# Altium PCB HIL_RIG_REV_1_1.PcbDoc (part 4 of 5) (continued)
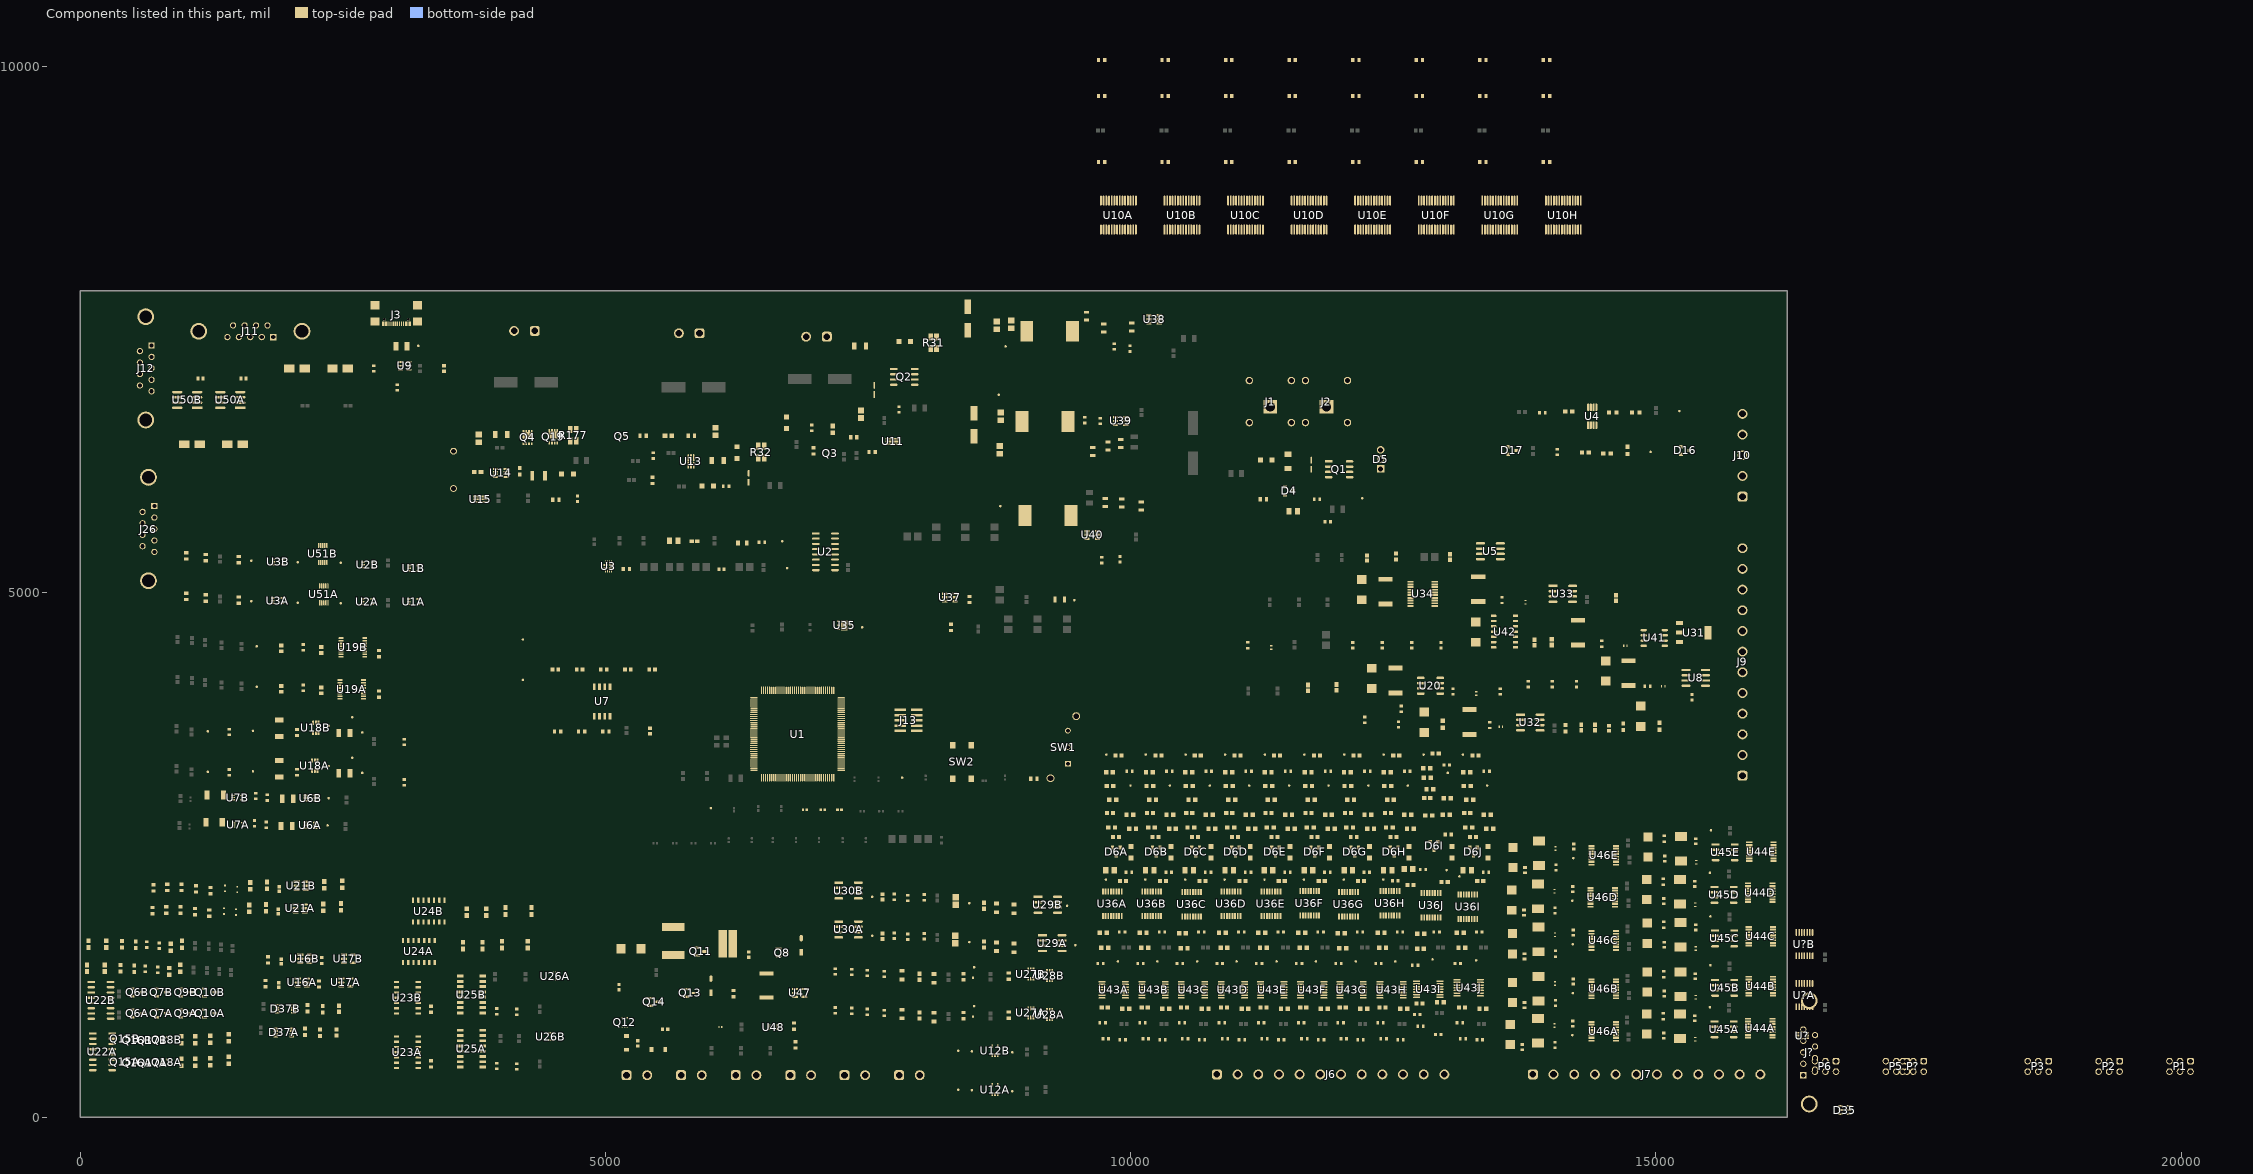
[diagram p6: the components of this part, seen from the top]
## Part data (continued)
Q6A Q6B Q7A Q7B Q9A Q9B Q10A Q10B: "MOSFET (P-Channel)", Manufacturer_Name="Alpha & Omega Semiconductors", Arrow Part Number=AO3401A, Arrow Price/Stock=https://www.arrow.com/en/products/ao3401a/alpha-and-omega-semiconductor?utm_currency=USD&region=nac, Datasheet Link=http://www.aosmd.com/pdfs/datasheet/AO3401A.pdf, Height=1.25mm, Manufacturer_Part_Number=AO3401A
Q8 Q13: library part CMP-12801-000062-2, "MOSFET P-CH 30V SOT23", Case/Package=SOT-23, Continuous Drain Current (ID)=3.8A, Drain to Source Resistance=65mR, Drain to Source Voltage (Vdss)=-30V, Gate to Source Voltage (Vgs)=20V, Input Capacitance=563pF, Max Operating Temperature=150°C, Max Power Dissipation=1.08W, Min Operating Temperature=-55°C, Package Quantity=3000, Threshold Voltage=-2.1V, Contact Plating=Tin, Element Configuration=Single, Fall Time=15ns, Height=1.1mm, Lead Free="Lead Free", Length=3mm, Mount="Surface Mount", Number of Channels=1, Number of Pins=3, Packaging="Tape and Reel", Radiation Hardening=No, Rds On Max=65mR, REACH SVHC="No SVHC", Rise Time=5ns, Turn-Off Delay Time=31ns, Turn-On Delay Time=4.8ns, Weight=0.000282oz, Width=1.4mm
Q11 Q14: library part CMP-2000-04931-2, "TRANS NPN 40V 0.2A SMD SOT23-3", Case/Package=SOT-23, Collector Base Voltage (VCBO)=60V, Collector Emitter Breakdown Voltage=40V, Collector Emitter Saturation Voltage=300mV, Continuous Collector Current=200mA, Emitter Base Voltage (VEBO)=6V, Frequency=300MHz, Max Operating Temperature=150°C, Max Power Dissipation=300mW, Min Operating Temperature=-55°C, Package Quantity=3000, Power Dissipation=350mW, Collector Emitter Voltage (VCEO)=40V, Contact Plating=Tin, Element Configuration=Single, Gain Bandwidth Product=300MHz, Height=1mm, hFE Min=100, Lead Free="Lead Free", Length=3.05mm, Max Breakdown Voltage=40V, Max Collector Current=200mA, Max Frequency=300MHz, Mount="Surface Mount", Number of Elements=1, Number of Pins=3, Packaging="Tape and Reel", Polarity=NPN, Radiation Hardening=No, REACH SVHC="No SVHC", Transition Frequency=300MHz, Voltage Rating (DC)=40V, Weight=0.000282oz, Width=1.4mm
Q12: library part CMP-1149-00046-1, "OptiMOS 2 Small-Signal-Transistor, 30 V VDS, 1.4 A ID, PG-SOT-363, Reel, Green", Manufacturer=Infineon, ComponentLink1Description="Manufacturer URL", ComponentLink1URL=http://www.infineon.com/, ComponentLink2Description=Datasheet, ComponentLink2URL=http://www.infineon.com/dgdl/BSD316SN_Rev2.3.pdf?folderId=db3a3043156fd573011622e10b5c1f67&fileId=db3a30431add1d95011afc90c46a0521, ComponentLink3Description="Package Specification", ComponentLink3URL=http://www.infineon.com/dgdl/SOT363-Package_Overview.pdf?folderId=db3a30431936bc4b01195360bd8f3cdc&fileId=db3a30431936bc4b0119536b62bf3cf5, DatasheetVersion="Rev. 2.4", Green=TRUE, Halogen-free=TRUE, ID (max)="1.4Â A", Mounting Technology="Surface Mount", PackageDescription="6-Pin Small Outline Transistor Package, 2 x 1.25 mm Body, 0.65 mm Pitch", PackageReference=PG-SOT-363, PackageVersion=Apr-08, Packing=Reel, PartNumber=BSD316SN, Polarity=N, RDS (on) (max)="160 mOhm", RevisionNote="Re-Activated Devices", VDS (max)="30 V"
R1 R2: library part CMP-009-00197-1, "Zero Ohm Resistor, Jumper, 0402 [1005 Metric], Thin Film, 100 mW, 630 mA, Surface Mount Device", Case/Package=0402, Max Operating Temperature=125°C, Min Operating Temperature=-55°C, Voltage Rating=50V, Mounting Technology="Surface Mount"
R3 R7 R9 R33 R36 R39 R42 R45 R50 R52 R56A R56B R77 R78 R91A R91B R106A R106B R106C R106D R106E R106F R106G R106H R107A R107B R107C R107D R107E R107F R107G R107H R108A R108B R108C R108D R108E R108F R108G R108H R109A R109B R110A R110B R114 R164 R167 R168 R171A R171B R172A R172B R173A R173B R176: library part CMP-009-00017-5, "Chip Resistor, 10 KOhm, +/- 1%, 01 W, -55 to 155 degC, 0603 (1608 Metric)", Case/Package=0603, Max Operating Temperature=155°C, Min Operating Temperature=-55°C, Power=100mW, Tolerance=1%, Voltage Rating=50V, Mounting Technology=SM, Pins=2, RoHS Compliant=True
R4 R6 R20 R37 R38 R41 R51 R111 R116A R116B R117A R117B R174A R174B: library part CMP-009-00280-1, "Res, 100K, 1%, 0.2W, Thick Film, 0603 Rohs Compliant: Yes", Case/Package=0603, Max Operating Temperature=155°C, Min Operating Temperature=-55°C, Tolerance=1%, Voltage Rating=75V, Mounting Technology="Surface Mount"
R5: library part CMP-009-00177-1, "Resistor, Thick Film Chip; 100 Ohms; Case 0805; 0.125W; +/-5%; SMD; 200ppm/K; 150V; 200V", Case/Package=0805, Max Operating Temperature=155°C, Min Operating Temperature=-55°C, Tolerance=5%, Voltage Rating=150V, Mounting Technology="Surface Mount", Pins=2
R8: library part CMP-009-00203-1, "Res Thick Film 0603 16.2K Ohm 1% 0.1W(1/10W) ±100ppm/°C Pad SMD T/R Automotive AEC-Q200", Case/Package=0603, Max Operating Temperature=155°C, Min Operating Temperature=-55°C, Tolerance=1%, Voltage Rating=75V, Mounting Technology="Surface Mount", Pins=2
R10 R29 R30: library part CMP-009-00198-1, "Fixed Resistor, Metal Glaze/thick Film, 0.1W, 5100ohm, 75V, 1% +/-Tol, 100ppm/Cel, Surface Mount, 0603", Case/Package=0603, Max Operating Temperature=155°C, Min Operating Temperature=-55°C, Tolerance=1%, Voltage Rating=75V, Mounting Technology="Surface Mount"
R11: library part CMP-009-00201-1, "125mW Thin Film Resistor 150V ±25ppm/℃ ±0.1% 150kΩ 0805 Chip Resistor - Surface Mount ROHS", Case/Package=0805, Max Operating Temperature=155°C, Min Operating Temperature=-55°C, Tolerance=0.1%, Voltage Rating=150V, Mounting Technology="Surface Mount"
R12: library part CMP-009-00204-1, "Res Thin Film 0603 44.2K Ohm 1% 0.125W(1/8W) ±100ppm/C Sulfur Resistant Pad SMD T/R", Case/Package=0603, Max Operating Temperature=155°C, Min Operating Temperature=-55°C, Tolerance=1%, Voltage Rating=150V, Mounting Technology="Surface Mount"
R13 R72A R72B R72C R72D R72E R72F R72G R72H R72I R72J: library part CMP-009-00200-1, "Fixed Resistor, Thin Film, 0.25W, 10000ohm, 150V, 0.1% +/-Tol, 25ppm/Cel, Surface Mount, 0805", Case/Package=0805, Max Operating Temperature=155°C, Min Operating Temperature=-55°C, Tolerance=0.1%, Voltage Rating=150V, Mounting Technology="Surface Mount"
R14 R16 R19 R54: library part CMP-009-00254-1, "Res Thin Film 0603 100K Ohm 0.1% 1/16W ±25ppm/°C Molded SMD SMD Paper T/R", Case/Package=0603, Max Operating Temperature=155°C, Min Operating Temperature=-55°C, Tolerance=0.1%, Voltage Rating=50V, Mounting Technology="Surface Mount"
R15 R18: library part CMP-009-00215-1, "Res Thin Film 0603 100 Ohm 1% 0.1W(1/10W) ±50ppm/C Pad SMD Automotive Medical T/R", Case/Package=0603, Max Operating Temperature=125°C, Min Operating Temperature=-55°C, Tolerance=1%, Voltage Rating=75V, Mounting Technology="Surface Mount"
R17 R55: library part CMP-009-00255-1, "100mW Thin Film Resistor ±25ppm/℃ ±0.1% 11.8kΩ 0603 Chip Resistor - Surface Mount ROHS", Case/Package=0603, Max Operating Temperature=155°C, Min Operating Temperature=-55°C, Tolerance=0.1%, Voltage Rating=75V, Mounting Technology="Surface Mount"
R21 R102 R103 R104 R105 R153: library part CMP-009-00291-1, "Res Thick Film 2512 10 Ohm 1% 1W ±400ppm/°C Pad SMD T/R Automotive AEC-Q200", Case/Package=2512, Manufacturer Lifecycle Status=ACTIVE, Max Operating Temperature=155°C, Min Operating Temperature=-55°C, Operating Supply Voltage=200V, Power Rating=1W, Ratings=AEC-Q200, Temperature Coefficient=400ppm/°C, Tolerance=1%, China RoHS=Non-Compliant, Composition="Thick Film", Export Control Classification Number (ECCN) Code=EAR99, Harmonized Tariff Schedule (HTS) Code=8533.21.00.30, Height=550µm, Introduction Date=2019-08-26, Length=6.35mm, Lifecycle Status=Production, Mounting Technology="Surface Mount", Number of Terminals=2, Packaging="Cut Tape", REACH SVHC=Yes, RoHS=Compliant, Schedule B="8533210025, 8533210025", Voltage Rating=200V, Voltage Rating (DC)=200V, Width=3.2mm, Working Voltage=200V
R22A R22B R27A R27B R28A R28B: library part CMP-009-00258-1, "Res Thick Film 0603 33 Ohm 1% 0.1W(1/10W) ±100ppm/C Pad SMD T/R Automotive AEC-Q200", Case Code (Imperial)=0603, Case Code (Metric)=1608, Max Operating Temperature=155°C, Max Power Dissipation=100mW, Min Operating Temperature=-55°C, Ratings=AEC-Q200, Temperature Coefficient=100ppm/°C, Tolerance=1%, Voltage Rating=75V, Case/Package=0603, China RoHS=Non-Compliant, Composition="Thick Film", Country of Origin="Mainland China, Taiwan", Export Control Classification Number (ECCN) Code=EAR99, Features="Automotive AEC-Q200, Moisture Resistant", Harmonized Tariff Schedule (HTS) Code=8533.21.00.30, Height=450µm, Introduction Date=2012-04-10, Length=1.6mm, Lifecycle Status=Production, Mounting Technology="Surface Mount", Number of Terminals=2, Number of Terminations=2, Packaging="Tape & Reel", Power Dissipation=100mW, Power Rating=100mW, REACH SVHC=Yes, RoHS=Compliant, Schedule B="8533210045, 8533210045", Termination=SMD/SMT, Width=800µm, Working Voltage=75V
R23 R24 R126 R128 R143 R144: library part CMP-009-00272-1, "100mW Thin Film Resistor ±50ppm/℃ ±0.1% 30kΩ 0603 Chip Resistor - Surface Mount ROHS", Case Code (Metric)=0603, Max Operating Temperature=155°C, Max Power Dissipation=100mW, Min Operating Temperature=-55°C, Temperature Coefficient=50ppm/°C, Tolerance=0.1%, Voltage Rating=75V, Voltage Rating (DC)=50V, Case/Package=0603, China RoHS=Non-Compliant, Composition="Thin Film", Country of Origin="Mainland China, Taiwan", Depth=800µm, Export Control Classification Number (ECCN) Code=EAR99, Harmonized Tariff Schedule (HTS) Code=8533.21.00.30, Height=450µm, Introduction Date=2008-07-11, Lead Free="Lead Free", Length=1.6mm, Lifecycle Status=Production, Military Standard=Not, Mounting Technology="Surface Mount", Number of Terminals=2, Number of Terminations=2, Packaging="Tape & Reel (TR)", Power Rating=100mW, REACH SVHC=Yes, RoHS=Compliant, Width=800µm, Working Voltage=75V
R25 R26 R129 R142 R145 R146: library part CMP-009-00273-1, "100mW Thin Film Resistor 75V ±50ppm/℃ ±0.1% 10kΩ 0603 Chip Resistor - Surface Mount ROHS", Case Code (Imperial)=0603, Max Operating Temperature=155°C, Max Power Dissipation=100mW, Min Operating Temperature=-55°C, Temperature Coefficient=50ppm/°C, Tolerance=0.1%, Voltage Rating=75V, Voltage Rating (DC)=50V, Case/Package=0603, China RoHS=Non-Compliant, Composition="Thin Film", Contact Plating=Tin, Country of Origin="Mainland China, Taiwan", Depth=800µm, Export Control Classification Number (ECCN) Code=EAR99, Features="Moisture Resistant", Harmonized Tariff Schedule (HTS) Code=8533.21.00.30, Height=450µm, Introduction Date=2008-07-11, Lead Free="Lead Free", Length=1.6mm, Lifecycle Status=Production, Military Standard=Not, Mounting Technology="Surface Mount", Number of Terminals=2, Number of Terminations=2, Packaging="Tape & Reel (TR)", Power Rating=100mW, Radiation Hardening=No, REACH SVHC=Yes, RoHS=Compliant, Schedule B="8533210045, 8533210045", Width=800µm, Working Voltage=75V
R31 R32 R177: library part CMP-009-00205-1, "Fixed Resistor, Metal Glaze/thick Film, 0.5W, 0.02ohm, 0.1V, 0.5% +/-Tol, Surface Mount, 1206", Case/Package=1206, Max Operating Temperature=155°C, Min Operating Temperature=-55°C, Tolerance=0.5%, Mounting Technology="Surface Mount"
R34 R40 R175: library part CMP-009-00207-1, "Res Thick Film 0603 150K Ohm 1% 0.1W(1/10W) ±100ppm/C Pad SMD Automotive T/R", Case/Package=0603, Max Operating Temperature=155°C, Min Operating Temperature=-55°C, Tolerance=1%, Voltage Rating=75V, Mounting Technology="Surface Mount"
R35 R93: library part CMP-009-00282-1, "Res Thick Film 0603 3.48K Ohm 1% 0.1W(1/10W) ±100ppm/C Pad SMD T/R Automotive AEC-Q200", Case/Package=0603, Max Operating Temperature=155°C, Min Operating Temperature=-55°C, Tolerance=1%, Voltage Rating=75V, Mounting Technology="Surface Mount"
R43: library part CMP-009-00212-1, "Res Thin Film 0603 1M Ohm 0.1% 0.1W(1/10W) ±25ppm/C Sulfur Resistant Pad SMD Automotive T/R", Case/Package=0603, Max Operating Temperature=155°C, Min Operating Temperature=-55°C, Tolerance=0.1%, Voltage Rating=75V, Mounting Technology="Surface Mount"
R44: library part CMP-009-00217-1, "100mW Thin Film Resistor 75V ±50ppm/℃ ±0.1% 100kΩ 0603 Chip Resistor - Surface Mount ROHS", Case/Package=0603, Max Operating Temperature=155°C, Min Operating Temperature=-55°C, Tolerance=0.1%, Voltage Rating=75V, Mounting Technology="Surface Mount"
R46 R47 R48 R49 R58A R58B R59A R59B R74: library part CMP-009-00027-5, "Chip Resistor, 22 Ohm, +/- 1%, 100 mW, -55 to 155 degC, 0603 (1608 Metric)", Case/Package=0603, Max Operating Temperature=155°C, Min Operating Temperature=-55°C, Power=100mW, Tolerance=1%, Voltage Rating=75V, Mounting Technology=SM, Pins=2, RoHS Compliant=True
R53A R53B: library part CMP-009-00237-1, "Res Thick Film 0603 100 Ohm 1% 0.1W(1/10W) ±100ppm/C Pad SMD Automotive T/R", Case/Package=0603, Max Operating Temperature=155°C, Min Operating Temperature=-55°C, Power Dissipation=100mW, Temperature Coefficient=100ppm/°C, Tolerance=1%, Voltage Rating=75V, China RoHS=Non-Compliant, Composition="Thick Film", Height=450µm, Length=1.6mm, Lifecycle Status=Production, Mounting Technology="Surface Mount", Number of Terminals=2, Packaging="Tape & Reel", Power Rating=100mW, REACH SVHC=Yes, RoHS=Compliant, Width=800µm, Working Voltage=75V
R57A R57B R57C R57D R57E R57F R57G R57H R57I R57J: library part CMP-009-00251-1, "100mW Thin Film Resistor ±50ppm/℃ ±0.1% 300kΩ 0603 Chip Resistor - Surface Mount ROHS", Case Code (Metric)=0603, Max Operating Temperature=155°C, Max Power Dissipation=100mW, Min Operating Temperature=-55°C, Temperature Coefficient=50ppm/°C, Tolerance=0.1%, Voltage Rating=75V, Voltage Rating (DC)=50V, Case/Package=0603, China RoHS=Non-Compliant, Composition="Thin Film", Contact Plating=Tin, Country of Origin="Mainland China, Taiwan", Export Control Classification Number (ECCN) Code=EAR99, Harmonized Tariff Schedule (HTS) Code=8533.21.00.30, Height=450µm, Introduction Date=2008-07-11, Lead Free="Lead Free", Length=1.6mm, Lifecycle Status=Production, Mounting Technology="Surface Mount", Number of Terminals=2, Number of Terminations=2, Packaging="Tape & Reel (TR)", Power Dissipation=100mW, Power Rating=100mW, Radiation Hardening=No, REACH SVHC=Yes, RoHS=Compliant, Width=800µm, Working Voltage=75V
R60A R60B: library part CMP-009-00259-1, "Res Thick Film 0603 330 Ohm 5% 1/10W ±200ppm/°C Molded SMD Paper T/R", Case/Package=0603, Max Operating Temperature=155°C, Max Power Dissipation=100mW, Min Operating Temperature=-55°C, Ratings=AEC-Q200, Temperature Coefficient=100ppm/°C, Tolerance=5%, Voltage Rating=75V, China RoHS=Non-Compliant, Composition="Thick Film", Contact Plating=Tin, Features="Automotive AEC-Q200", Height=450µm, Length=1.55mm, Lifecycle Status=Production, Mounting Technology="Surface Mount", Number of Terminals=2, Number of Terminations=2, Packaging="Tape & Reel (TR)", Power Dissipation=100mW, Power Rating=100mW, Radiation Hardening=No, REACH SVHC=Yes, RoHS=Compliant, Width=800µm, Working Voltage=75V
R61A R61B R61C R61D R61E R61F R61G R61H R61I R61J: library part CMP-009-00288-1, "Res Thin Film 0603 240K Ohm 0.1% 0.1W(1/10W) ±25ppm/C Pad SMD T/R", Case Code (Imperial)=0603, Max Operating Temperature=155°C, Max Power Dissipation=100mW, Min Operating Temperature=-55°C, Temperature Coefficient=25ppm/°C, Tolerance=0.1%, Voltage Rating=75V, Voltage Rating (DC)=50V, Case/Package=0603, China RoHS=Non-Compliant, Composition="Thin Film", Contact Plating=Tin, Country of Origin="Mainland China, Taiwan", Export Control Classification Number (ECCN) Code=EAR99, Features="Moisture Resistant", Harmonized Tariff Schedule (HTS) Code=8533.21.00.30, Height=450µm, Introduction Date=2008-06-09, Lead Free="Lead Free", Length=1.6mm, Lifecycle Status=Production, Mounting Technology="Surface Mount", Number of Terminals=2, Number of Terminations=2, Power Rating=100mW, Radiation Hardening=No, REACH SVHC=Yes, RoHS=Compliant, Schedule B="8533210045, 8533210045", Termination=SMD/SMT, Width=800µm, Working Voltage=75V
R62A R62B R62C R62D R62E R62F R62G R62H R62I R62J R64A R64B R64C R64D R64E R64F R64G R64H R64I R64J R67A R67B R67C R67D R67E R67F R67G R67H R67I R67J R71A R71B R71C R71D R71E R71F R71G R71H R71I R71J R75A R75B R75C R75D R75E R75F R75G R75H R75I R75J R76A R76B R76C R76D R76E R76F R76G R76H R76I R76J R80A R80B R80C R80D R80E R80F R80G R80H R80I R80J R134A R134B R135A R135B R136A R136B R137A R137B R140A R140B R141A R141B: library part CMP-009-00250-1, "Fixed Resistor, Thin Film, 0.21W, 10000ohm, 75V, 0.1% +/-Tol, 25ppm/Cel, Surface Mount, 0603", Case/Package=0603, Max Operating Temperature=175°C, Min Operating Temperature=-55°C, Power Dissipation=210mW, Power Rating=125mW, Ratings=AEC-Q200, Temperature Coefficient=25ppm/°C, Tolerance=0.1%, Voltage Rating=75V, China RoHS=Non-Compliant, Composition="Thin Film", Country of Origin="Germany, Israel", Export Control Classification Number (ECCN) Code=EAR99, Harmonized Tariff Schedule (HTS) Code=8533.21.00.30, Height=450µm, Introduction Date=2009-04-28, Length=1.55mm, Lifecycle Status=Production, Mounting Technology="Surface Mount", Number of Terminals=2, REACH SVHC=Yes, RoHS=Compliant, Schedule B="8533210045, 8533210045", Width=850µm, Working Voltage=75V
R63A R63B R63C R63D R63E R63F R63G R63H R63I R63J: library part CMP-009-00287-1, "100mW Thin Film Resistor 75V ±25ppm/℃ ±0.1% 9.1kΩ 0603 Chip Resistor - Surface Mount ROHS", Case Code (Imperial)=0603, Max Operating Temperature=155°C, Max Power Dissipation=100mW, Min Operating Temperature=-55°C, Temperature Coefficient=25ppm/°C, Tolerance=0.1%, Voltage Rating=75V, Voltage Rating (DC)=50V, Case/Package=0603, China RoHS=Non-Compliant, Composition="Thin Film", Contact Plating=Tin, Country of Origin="Mainland China, Taiwan", Depth=800µm, Export Control Classification Number (ECCN) Code=EAR99, Features="Moisture Resistant", Harmonized Tariff Schedule (HTS) Code=8533.21.00.30, Height=450µm, Introduction Date=2008-07-11, Lead Free="Lead Free", Length=1.6mm, Lifecycle Status=Production, Military Standard=Not, Mounting Technology="Surface Mount", Number of Terminals=2, Number of Terminations=2, Power Rating=100mW, Radiation Hardening=No, REACH SVHC=Yes, RoHS=Compliant, Schedule B="8533210045, 8533210045", Termination=SMD/SMT, Weight=2.012816mg, Width=800µm, Working Voltage=75V
R65A R65B R65C R65D R65E R65F R65G R65H R65I R65J R66A R66B R66C R66D R66E R66F R66G R66H R66I R66J: library part CMP-009-00289-1, "100mW Thin Film Resistor ±25ppm/℃ ±0.1% 180kΩ 0603 Chip Resistor - Surface Mount ROHS", Case Code (Imperial)=0603, Max Operating Temperature=155°C, Max Power Dissipation=100mW, Min Operating Temperature=-55°C, Temperature Coefficient=25ppm/°C, Tolerance=0.1%, Voltage Rating=75V, Voltage Rating (DC)=50V, Case/Package=0603, China RoHS=Non-Compliant, Composition="Thin Film", Contact Plating=Tin, Country of Origin="Mainland China, Taiwan", Depth=800µm, Export Control Classification Number (ECCN) Code=EAR99, Features="Moisture Resistant", Harmonized Tariff Schedule (HTS) Code=8533.21.00.30, Height=450µm, Introduction Date=2008-06-09, Lead Free="Lead Free", Length=1.6mm, Lifecycle Status=Production, Military Standard=Not, Mounting Technology="Surface Mount", Number of Terminals=2, Number of Terminations=2, Power Rating=100mW, Radiation Hardening=No, REACH SVHC=Yes, RoHS=Compliant, Schedule B="8533210045, 8533210045", Termination=SMD/SMT, Weight=2.012816mg, Width=800µm, Working Voltage=75V
R68A R68B R68C R68D R68E R68F R68G R68H R68I R68J: library part CMP-009-00290-1, "100mW Thin Film Resistor 75V ±25ppm/℃ ±0.1% 90.9kΩ 0603 Chip Resistor - Surface Mount ROHS", Case Code (Imperial)=0603, Max Operating Temperature=155°C, Max Power Dissipation=100mW, Min Operating Temperature=-55°C, Temperature Coefficient=25ppm/°C, Tolerance=0.1%, Voltage Rating=75V, Voltage Rating (DC)=50V, Case/Package=0603, China RoHS=Non-Compliant, Composition="Thin Film", Contact Plating=Tin, Country of Origin="Mainland China, Taiwan", Depth=800µm, Export Control Classification Number (ECCN) Code=EAR99, Features="Moisture Resistant", Harmonized Tariff Schedule (HTS) Code=8533.21.00.30, Height=450µm, Introduction Date=2008-06-09, Lead Free="Lead Free", Length=1.6mm, Lifecycle Status=Production, Military Standard=Not, Mounting Technology="Surface Mount", Number of Terminals=2, Number of Terminations=2, Power Rating=100mW, Radiation Hardening=No, REACH SVHC=Yes, RoHS=Compliant, Schedule B="8533210045, 8533210045", Termination=SMD/SMT, Width=800µm, Working Voltage=75V
R69A R69B R69C R69D R69E R69F R69G R69H R69I R69J: library part CMP-009-00286-1, "Fixed Resistor, Thin Film, 0.1W, 39200ohm, 75V, 0.1% +/-Tol, 25ppm/Cel, Surface Mount, 0603", Case Code (Imperial)=0603, Case Code (Metric)=1608, Max Operating Temperature=125°C, Max Power Dissipation=100mW, Min Operating Temperature=-55°C, Ratings=AEC-Q200, Temperature Coefficient=25ppm/°C, Tolerance=0.1%, Voltage Rating=75V, Voltage Rating (DC)=50V, Case/Package=0603, China RoHS=Compliant, Composition="Thin Film", Contact Plating=Tin, Depth=850µm, Export Control Classification Number (ECCN) Code=EAR99, Features="Automotive AEC-Q200", Harmonized Tariff Schedule (HTS) Code=8533.21.00.30, Height=450µm, Lead Free="Lead Free", Length=1.55mm, Lifecycle Status=Production, Military Standard=Not, Mounting Technology="Surface Mount", Number of Terminals=2, Number of Terminations=2, Packaging="Tape & Reel", Power Rating=100mW, Radiation Hardening=No, REACH SVHC=Yes, RoHS=Compliant, Schedule B="8533210045, 8533210045", Termination=SMD/SMT, Width=850µm, Working Voltage=75V
R70A R70B R70C R70D R70E R70F R70G R70H R70I R70J: library part CMP-009-00242-1, "Fixed Resistor, Thin Film, 0.1W, 24000ohm, 75V, 0.1% +/-Tol, Surface Mount, 0603", Case/Package=0603, Max Operating Temperature=125°C, Max Power Dissipation=100mW, Min Operating Temperature=-55°C, Temperature Coefficient=25ppm/°C, Tolerance=0.1%, Voltage Rating=75V, China RoHS=Non-Compliant, Composition="Thin Film", Contact Plating=Tin, Country of Origin="Germany, Israel", Depth=850µm, Export Control Classification Number (ECCN) Code=EAR99, Harmonized Tariff Schedule (HTS) Code=8533.21.00.30, Height=450µm, Introduction Date=2007-10-02, Lead Free="Lead Free", Length=1.55mm, Lifecycle Status=Production, Military Standard=Not, Mounting Technology="Surface Mount", Number of Terminals=2, Number of Terminations=2, Packaging="Tape & Reel (TR)", Power Dissipation=100mW, Power Rating=100mW, REACH SVHC=Yes, RoHS=Compliant, Width=850µm, Working Voltage=75V
R73A R73B R73C R73D R73E R73F R73G R73H R73I R73J R127: library part CMP-009-00243-1, "Fixed Resistor, Thin Film, 0.1W, 200000ohm, 75V, 0.1% +/-Tol, Surface Mount, 0603", Case/Package=0603, Max Operating Temperature=125°C, Min Operating Temperature=-55°C, Power Dissipation=100mW, Temperature Coefficient=25ppm/°C, Tolerance=0.1%, Voltage Rating=75V, China RoHS=Non-Compliant, Composition="Thin Film", Country of Origin="Germany, Israel", Depth=850µm, Export Control Classification Number (ECCN) Code=EAR99, Harmonized Tariff Schedule (HTS) Code=8533.21.00.30, Height=450µm, Introduction Date=2007-10-02, Lead Free="Lead Free", Length=1.55mm, Lifecycle Status=Production, Military Standard=Not, Mounting Technology="Surface Mount", Number of Terminals=2, Packaging="Tape and Reel", Power Rating=100mW, REACH SVHC=Yes, RoHS=Compliant, Width=850µm, Working Voltage=75V
R79: library part CMP-009-00208-1, "Fixed Resistor, Metal Glaze/Thick Film, 0.5W, 1000ohm, 200V, 1% +/-Tol, Surface Mount, 1210", Case/Package=1210, Max Operating Temperature=155°C, Min Operating Temperature=-55°C, Tolerance=1%, Voltage Rating=200V, Mounting Technology="Surface Mount"
R81A R81B R81C R81D R81E R81F R81G R81H R81I R81J: library part CMP-009-00244-1, "100mW Thin Film Resistor ±0.1% ±10ppm/℃ 160kΩ 0603 Chip Resistor - Surface Mount ROHS", Case/Package=0603, Max Operating Temperature=155°C, Max Power Dissipation=100mW, Min Operating Temperature=-55°C, Temperature Coefficient=10ppm/°C, Tolerance=0.1%, Voltage Rating=75V, China RoHS=Non-Compliant, Composition="Thin Film", Country of Origin="Mainland China, Taiwan", Export Control Classification Number (ECCN) Code=EAR99, Features="Moisture Resistant", Harmonized Tariff Schedule (HTS) Code=8533.21.00.30, Height=450µm, Introduction Date=2004-05-25, Length=1.6mm, Lifecycle Status=Production, Mounting Technology="Surface Mount", Number of Terminals=2, Number of Terminations=2, Packaging="Tape & Reel", Power Dissipation=100mW, Power Rating=100mW, REACH SVHC=Yes, RoHS=Compliant, Width=800µm, Working Voltage=75V
R82A R82B R83A R83B R84A R84B R85A R85B: library part CMP-009-00245-1, "Fixed Resistor, Thin Film, 0.125W, 2200ohm, 75V, 0.1% +/-Tol, 50ppm/Cel, Surface Mount, 0603", Ambient Temperature Range High=85°C, Case/Package=0603, Max Operating Temperature=155°C, Min Operating Temperature=-55°C, Power Dissipation=100mW, Temperature Coefficient=50ppm/°C, Tolerance=0.1%, Voltage Rating=75V, Composition="Thin Film", Country of Origin=Japan, Export Control Classification Number (ECCN) Code=EAR99, Harmonized Tariff Schedule (HTS) Code=8533.21.00.30, Height=450µm, Introduction Date=2019-02-08, Length=1.6mm, Lifecycle Status=Production, Mounting Technology="Surface Mount", Number of Terminals=2, Power Rating=100mW, REACH SVHC=Yes, RoHS=Compliant, Width=800µm, Working Voltage=75V
R86A R86B R87A R87B: library part CMP-009-00246-1, "100mW Thin Film Resistor ±50ppm/℃ ±0.1% 4.7kΩ 0603 Chip Resistor - Surface Mount ROHS", Case Code (Imperial)=0603, Max Operating Temperature=155°C, Max Power Dissipation=100mW, Min Operating Temperature=-55°C, Temperature Coefficient=50ppm/°C, Tolerance=0.1%, Voltage Rating=75V, Voltage Rating (DC)=50V, Case/Package=0603, China RoHS=Non-Compliant, Composition="Thin Film", Country of Origin="Mainland China, Taiwan", Export Control Classification Number (ECCN) Code=EAR99, Features="Moisture Resistant", Harmonized Tariff Schedule (HTS) Code=8533.21.00.30, Height=450µm, Introduction Date=2008-07-11, Lead Free="Lead Free", Length=1.6mm, Lifecycle Status=Production, Mounting Technology="Surface Mount", Number of Terminals=2, Number of Terminations=2, Packaging="Tape & Reel (TR)", Power Dissipation=100mW, Power Rating=100mW, REACH SVHC=Yes, RoHS=Compliant, Schedule B=8533210045, Width=800µm, Working Voltage=75V
R88A R88B R89A R89B R130A R130B R131A R131B R132A R132B R133A R133B: library part CMP-009-00023-5, "Chip Resistor, 100 KOhm, +/- 1%, 0.1 W, -55 to 155 degC, 0603 (1608 Metric)", Case/Package=0603, Max Operating Temperature=155°C, Min Operating Temperature=-55°C, Power=100mW, Tolerance=1%, Voltage Rating=50V, Mounting Technology=SM, Pins=2, RoHS Compliant=True
R90A R90B: library part CMP-009-00247-1, "Res Thick Film 0603 200K Ohm 1% 0.1W ±100ppm/°C Molded SMD Paper T/R", Case/Package=0603, Max Operating Temperature=155°C, Max Power Dissipation=100mW, Min Operating Temperature=-55°C, Temperature Coefficient=100ppm/°C, Tolerance=1%, Voltage Rating=75V, China RoHS=Non-Compliant, Composition="Thick Film", Contact Plating=Tin, Country of Origin="Japan, Mainland China, Taiwan", Export Control Classification Number (ECCN) Code=EAR99, Features="Automotive AEC-Q200", Harmonized Tariff Schedule (HTS) Code=8533.21.00.30, Height=450µm, Introduction Date=2011-01-07, Length=1.55mm, Lifecycle Status=Production, Mounting Technology="Surface Mount", Number of Terminals=2, Number of Terminations=2, Packaging="Tape & Reel (TR)", Power Dissipation=100mW, Power Rating=100mW, Radiation Hardening=No, REACH SVHC=Yes, RoHS=Compliant, Width=800µm, Working Voltage=75V
R92: library part CMP-009-00283-1, "Res Thick Film 0603 48.7K Ohm 1% 0.1W(1/10W) ±100ppm/C Pad SMD T/R Automotive AEC-Q200", Case/Package=0603, Max Operating Temperature=155°C, Min Operating Temperature=-55°C, Tolerance=1%, Voltage Rating=75V, Mounting Technology="Surface Mount"
R94A R94B R95A R95B R96A R96B R97A R97B R98A R98B R99A R99B R100A R100B R101A R101B: library part CMP-009-00248-1, "Res Thick Film 0603 33 Ohm 1% 0.1W(1/10W) ±200ppm/C Pad SMD Automotive AEC-Q200 T/R", Case/Package=0603, Max Operating Temperature=155°C, Min Operating Temperature=-55°C, Tolerance=1%, Voltage Rating=75V, Mounting Technology="Surface Mount"
R112: library part CMP-009-00284-1, "Res Thick Film 0603 19.1K Ohm 1% 0.1W(1/10W) ±100ppm/C Pad SMD T/R Automotive AEC-Q200", Case/Package=0603, Max Operating Temperature=155°C, Min Operating Temperature=-55°C, Tolerance=1%, Voltage Rating=75V, Mounting Technology="Surface Mount"
R113: library part CMP-009-00285-1, "CRCW-HP FIXED RESISTOR 0603 (1608Metric) Chip Resistor ±1% ±100ppm/C 33.2kOhm 0.25W 1/4W", Case/Package=0603, Max Operating Temperature=155°C, Min Operating Temperature=-55°C, Tolerance=1%, Voltage Rating=75V, Mounting Technology="Surface Mount"
R115A R115B R121A R121B: library part CMP-009-00263-1, "100mW Thin Film Resistor 75V ±25ppm/℃ ±0.1% 11.5kΩ 0603 Chip Resistor - Surface Mount ROHS", Case Code (Imperial)=0603, Max Operating Temperature=155°C, Max Power Dissipation=100mW, Min Operating Temperature=-55°C, Temperature Coefficient=25ppm/°C, Tolerance=0.1%, Voltage Rating=75V, Case/Package=0603, China RoHS=Non-Compliant, Composition="Thin Film", Country of Origin="Mainland China, Taiwan", Depth=800µm, Export Control Classification Number (ECCN) Code=EAR99, Features="Moisture Resistant", Harmonized Tariff Schedule (HTS) Code=8533.21.00.30, Height=450µm, Introduction Date=2008-06-09, Lead Free="Lead Free", Length=1.6mm, Lifecycle Status=Production, Military Standard=Not, Mounting Technology="Surface Mount", Number of Terminals=2, Number of Terminations=2, Power Rating=100mW, REACH SVHC=Yes, RoHS=Compliant, Schedule B="8533210045, 8533210045", Termination=SMD/SMT, Voltage Rating (DC)=75V, Weight=2.012816mg, Width=800µm, Working Voltage=75V
R118A R118B R119A R119B R151A R151B: library part CMP-009-00275-1, "125mW Thin Film Resistor 150V ±25ppm/℃ ±0.1% 10kΩ 0805 Chip Resistor - Surface Mount ROHS", Case Code (Imperial)=0805, Manufacturer Package Identifier="0805 (2012 metric)", Max Operating Temperature=155°C, Max Power Dissipation=125mW, Min Operating Temperature=-55°C, Temperature Coefficient=25ppm/°C, Tolerance=0.1%, Voltage Rating=150V, Case/Package=0805, China RoHS=Non-Compliant, Composition="Thin Film", Country of Origin="Mainland China, Taiwan", Depth=1.25mm, Export Control Classification Number (ECCN) Code=EAR99, Features="Moisture Resistant", Harmonized Tariff Schedule (HTS) Code=8533.21.00.30, Height=500µm, Introduction Date=2008-06-09, Lead Free="Lead Free", Length=2mm, Lifecycle Status=Production, Military Standard=Not, Mounting Technology="Surface Mount", Number of Terminals=2, Number of Terminations=2, Power Rating=125mW, REACH SVHC=Yes, RoHS=Compliant, Schedule B="8533210045, 8533210045", Termination=SMD/SMT, Voltage Rating (DC)=150V, Weight=5.499807mg, Width=1.25mm, Working Voltage=150V
R120A R120B R150A R150B: library part CMP-009-00265-1, "Res Thin Film 0603 10.2K Ohm 0.1% 1/10W ±25ppm/°C Molded SMD SMD Paper T/R", Case Code (Imperial)=0603, Max Operating Temperature=155°C, Max Power Dissipation=100mW, Min Operating Temperature=-55°C, Temperature Coefficient=25ppm/°C, Tolerance=0.1%, Voltage Rating=75V, Case/Package=0603, China RoHS=Non-Compliant, Composition="Thin Film", Contact Plating=Tin, Country of Origin="Mainland China, Taiwan", Depth=800µm, Export Control Classification Number (ECCN) Code=EAR99, Features="Moisture Resistant", Harmonized Tariff Schedule (HTS) Code=8533.21.00.30, Height=450µm, Introduction Date=2008-06-09, Lead Free="Lead Free", Length=1.6mm, Lifecycle Status=Production, Military Standard=Not, Mounting Technology="Surface Mount", Number of Terminals=2, Number of Terminations=2, Power Rating=100mW, Radiation Hardening=No, REACH SVHC=Yes, RoHS=Compliant, Schedule B="8533210045, 8533210045", Termination=SMD/SMT, Voltage Rating (DC)=75V, Weight=2.012816mg, Width=800µm, Working Voltage=75V
R122A R122B: library part CMP-009-00279-1, "Res Thin Film 0603 11.3K Ohm 0.1% 0.1W ±25ppm/°C Molded SMD Punched Carrier T/R", Case Code (Imperial)=0603, Case Code (Metric)=1608, Manufacturer Lifecycle Status=ACTIVE, Max Operating Temperature=155°C, Max Power Dissipation=100mW, Min Operating Temperature=-55°C, Ratings=AEC-Q200, Temperature Coefficient=25ppm/°C, Tolerance=0.1%, Voltage Rating=150V, Voltage Rating (DC)=75V, Case/Package=0603, Composition="Thin Film", Contact Plating=Tin, Country of Origin=Japan, Depth=800µm, Export Control Classification Number (ECCN) Code=EAR99, Features="Automotive AEC-Q200", Harmonized Tariff Schedule (HTS) Code=8533.21.00.30, Height=450µm, Introduction Date=2011-03-24, Lead Free="Lead Free", Length=1.6mm, Lifecycle Status=Production, Military Standard=Not, Mounting Technology="Surface Mount", Number of Terminals=2, Number of Terminations=2, Packaging="Tape & Reel", Part Series="Thin Film Chip Resistors, High Reliability Type", Pins=2, Power Rating=100mW, Radiation Hardening=No, REACH SVHC=Yes, RoHS=Compliant, Schedule B="8533210045, 8533210045", Termination=SMD/SMT, Width=800µm, Working Voltage=75V
R123: library part CMP-009-00271-1, "Fixed Resistor, Thin Film, 0.1W, 20000ohm, 75V, 1% +/-Tol, 50ppm/Cel, Surface Mount, 0603", Case/Package=0603, Max Operating Temperature=125°C, Min Operating Temperature=-55°C, Power Rating=100mW, Temperature Coefficient=50ppm/°C, Tolerance=1%, Voltage Rating=75V, China RoHS=Non-Compliant, Composition="Thin Film", Country of Origin="Germany, Israel", Export Control Classification Number (ECCN) Code=EAR99, Harmonized Tariff Schedule (HTS) Code=8533.21.00.30, Height=450µm, Introduction Date=2008-09-01, Lead Free="Lead Free", Length=1.55mm, Lifecycle Status=Production, Mounting Technology="Surface Mount", Number of Terminals=2, REACH SVHC=Yes, RoHS=Compliant, Width=850µm, Working Voltage=75V
R124 R125: library part CMP-009-00211-1, "Res Thin Film 0603 1M Ohm 0.1% 0.1W(1/10W) ±25ppm/C Sulfur Resistant Pad SMD Automotive T/R", Case/Package=0603, Max Operating Temperature=155°C, Min Operating Temperature=-55°C, Tolerance=0.1%, Voltage Rating=75V, Mounting Technology="Surface Mount"
R138A R138B R139A R139B: library part CMP-009-00249-1, "Fixed Resistor, Thin Film, 0.1W, 1000ohm, 50V, 0.1% +/-Tol, 25ppm/Cel, Surface Mount, 0603", Case/Package=0603, Max Operating Temperature=155°C, Min Operating Temperature=-55°C, Power Dissipation=100mW, Temperature Coefficient=25ppm/°C, Tolerance=0.1%, Voltage Rating=50V, China RoHS=Compliant, Composition="Thin Film", Height=450µm, Length=1.55mm, Lifecycle Status=Production, Mounting Technology="Surface Mount", Number of Terminals=2, Power Rating=100mW, REACH SVHC=Yes, RoHS=Compliant, Width=800µm, Working Voltage=50V